# Altium PCB STB_LightBoard.PcbDoc (part 8 of 31) (continued)
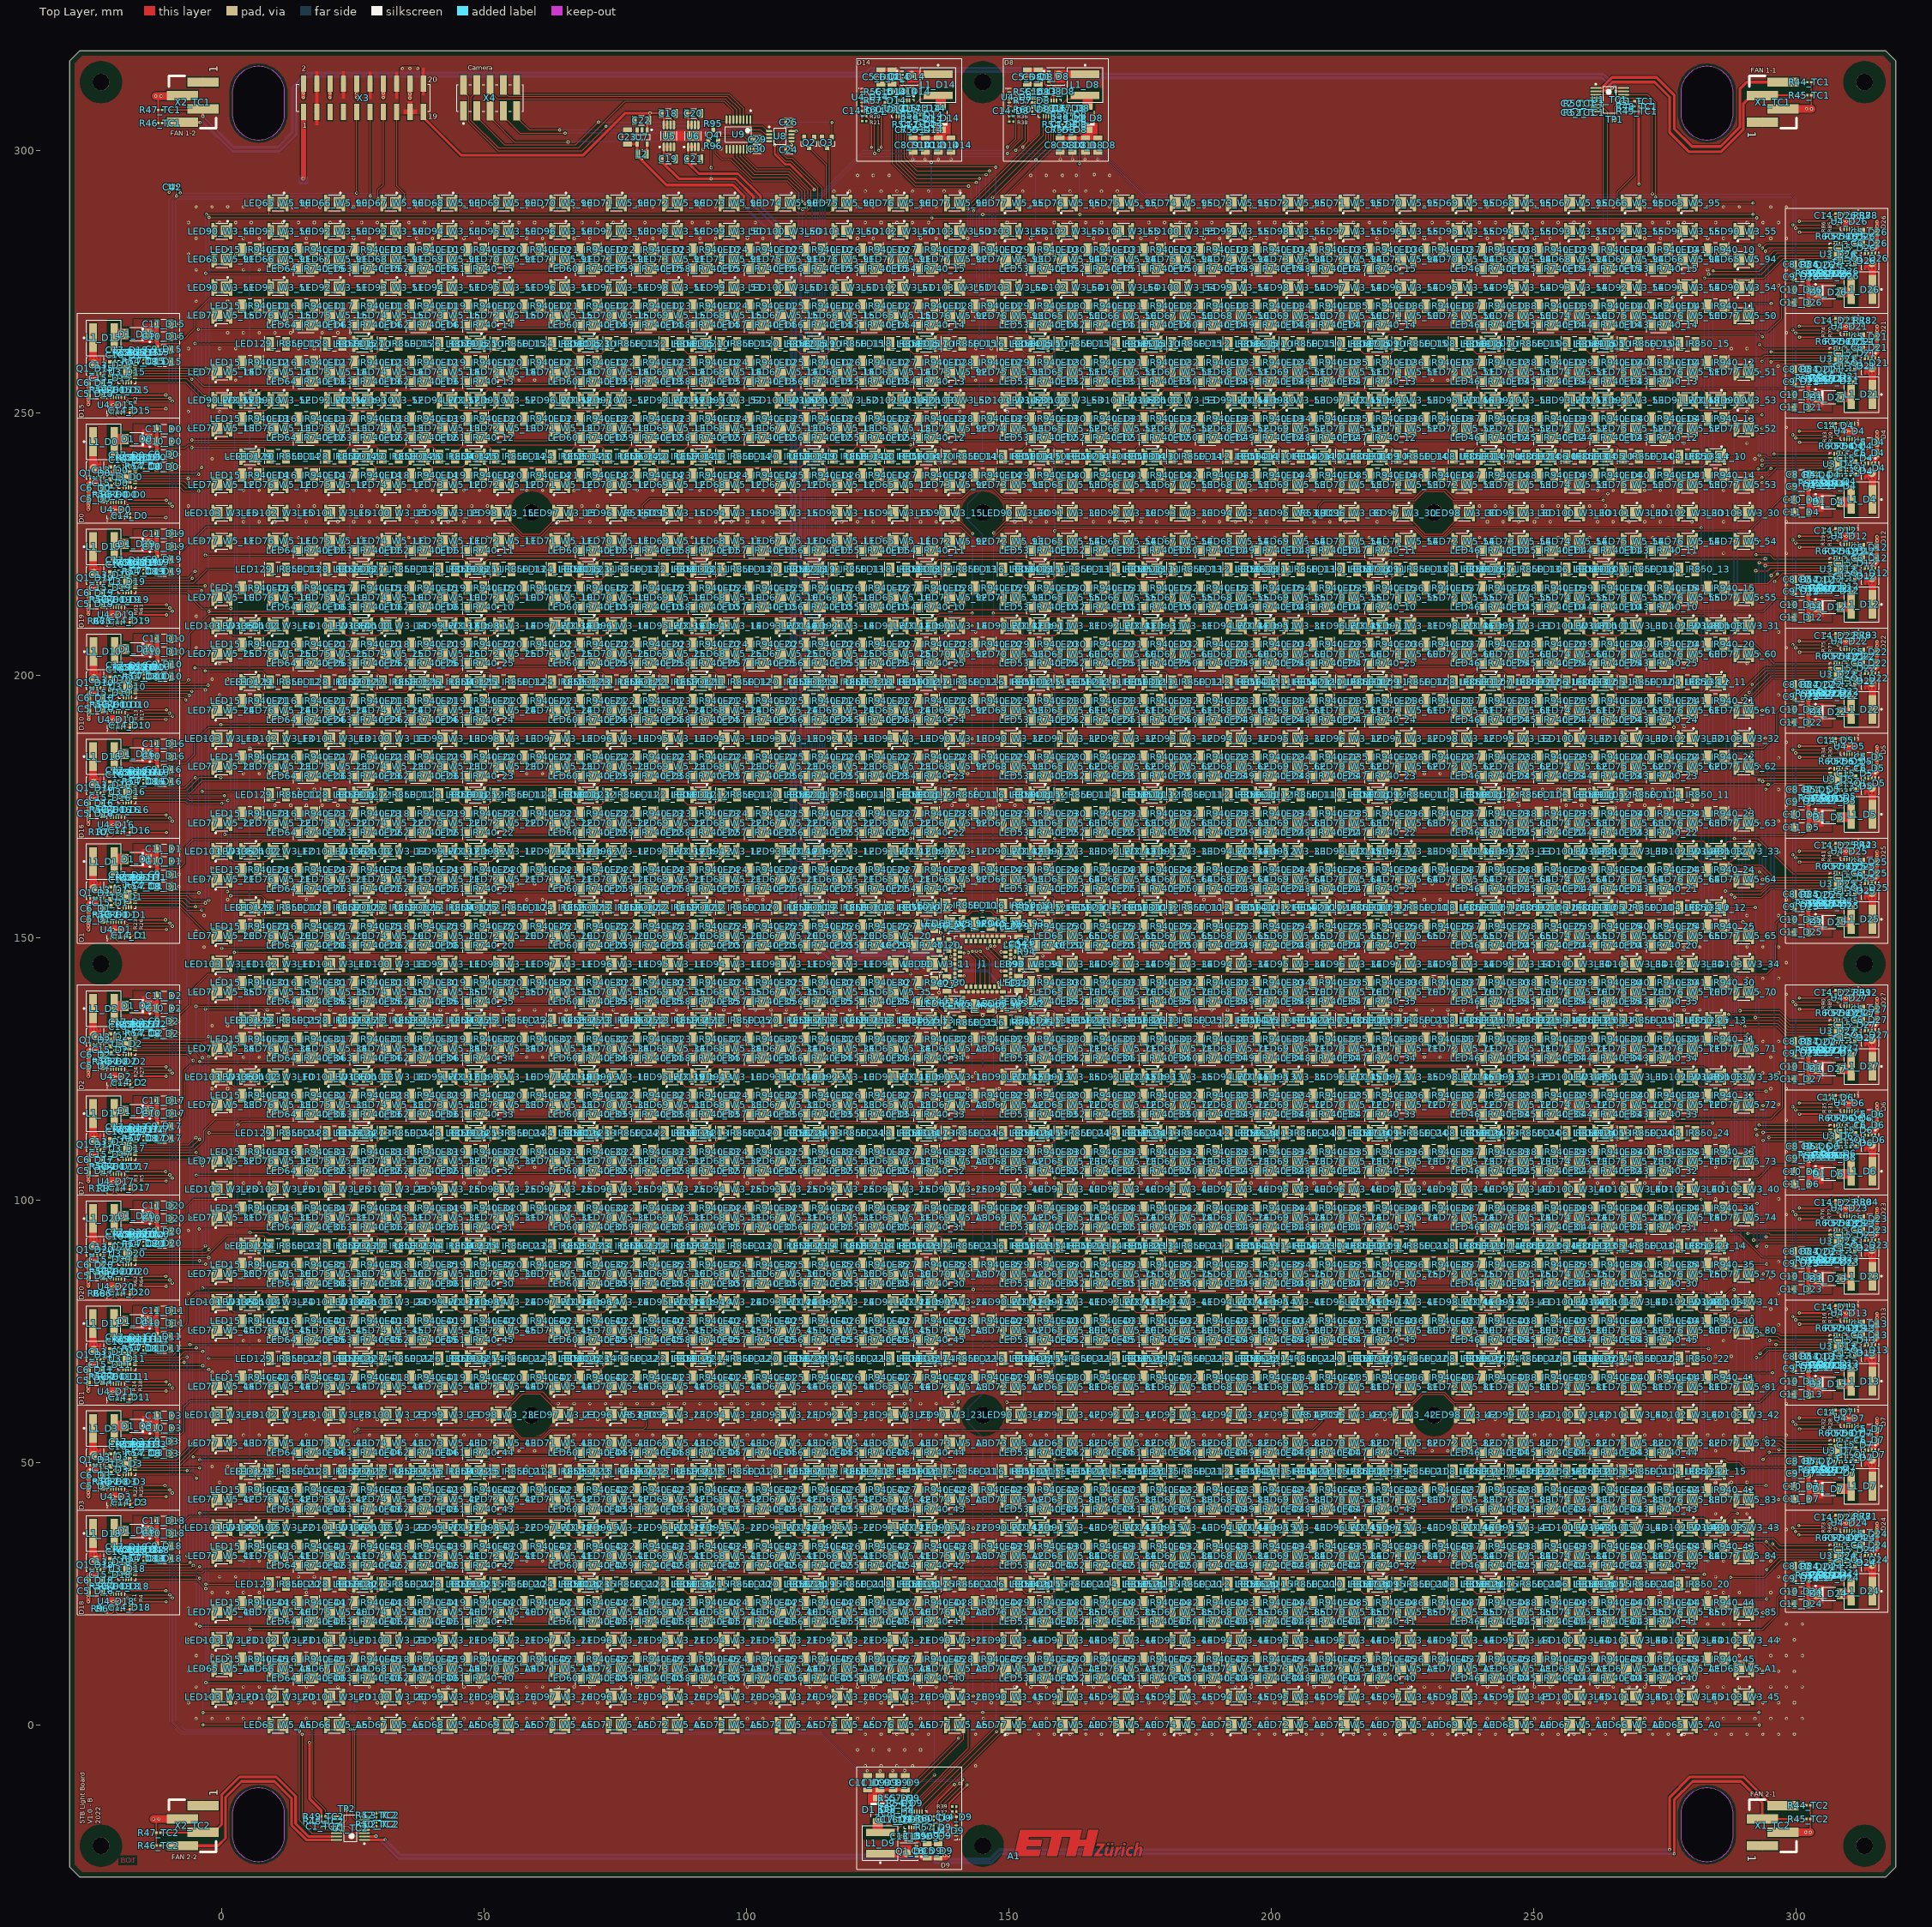
[diagram p0: Top Layer view]
## Components (designator, comment, footprint, x,y, rotation, side; value= is the part's Value field where it differs from the comment) (continued)
LED73_W5_31 "NF2W757GT-F1" NF2W757GT-F1 42.964,96.685 r0 top (schematic designator LED73)
LED73_W5_32 "NF2W757GT-F1" NF2W757GT-F1 42.964,107.425 r0 top (schematic designator LED73)
LED73_W5_33 "NF2W757GT-F1" NF2W757GT-F1 42.964,118.165 r0 top (schematic designator LED73)
LED73_W5_34 "NF2W757GT-F1" NF2W757GT-F1 42.964,128.905 r0 top (schematic designator LED73)
LED73_W5_35 "NF2W757GT-F1" NF2W757GT-F1 42.964,139.645 r0 top (schematic designator LED73)
LED73_W5_40 "NF2W757GT-F1" NF2W757GT-F1 42.964,21.505 r0 top (schematic designator LED73)
LED73_W5_41 "NF2W757GT-F1" NF2W757GT-F1 42.964,32.245 r0 top (schematic designator LED73)
LED73_W5_42 "NF2W757GT-F1" NF2W757GT-F1 42.964,42.985 r0 top (schematic designator LED73)
LED73_W5_43 "NF2W757GT-F1" NF2W757GT-F1 42.964,53.725 r0 top (schematic designator LED73)
LED73_W5_44 "NF2W757GT-F1" NF2W757GT-F1 42.964,64.465 r0 top (schematic designator LED73)
LED73_W5_45 "NF2W757GT-F1" NF2W757GT-F1 42.964,75.205 r0 top (schematic designator LED73)
LED73_W5_50 "NF2W757GT-F1" NF2W757GT-F1 247.043,268.5 r180 top (schematic designator LED73)
LED73_W5_51 "NF2W757GT-F1" NF2W757GT-F1 247.043,257.76 r180 top (schematic designator LED73)
LED73_W5_52 "NF2W757GT-F1" NF2W757GT-F1 247.043,247.02 r180 top (schematic designator LED73)
LED73_W5_53 "NF2W757GT-F1" NF2W757GT-F1 247.043,236.28 r180 top (schematic designator LED73)
LED73_W5_54 "NF2W757GT-F1" NF2W757GT-F1 247.043,225.54 r180 top (schematic designator LED73)
LED73_W5_55 "NF2W757GT-F1" NF2W757GT-F1 247.043,214.8 r180 top (schematic designator LED73)
LED73_W5_60 "NF2W757GT-F1" NF2W757GT-F1 247.043,204.06 r180 top (schematic designator LED73)
LED73_W5_61 "NF2W757GT-F1" NF2W757GT-F1 247.043,193.32 r180 top (schematic designator LED73)
LED73_W5_62 "NF2W757GT-F1" NF2W757GT-F1 247.043,182.58 r180 top (schematic designator LED73)
LED73_W5_63 "NF2W757GT-F1" NF2W757GT-F1 247.043,171.84 r180 top (schematic designator LED73)
LED73_W5_64 "NF2W757GT-F1" NF2W757GT-F1 247.043,161.1 r180 top (schematic designator LED73)
LED73_W5_65 "NF2W757GT-F1" NF2W757GT-F1 247.043,150.36 r180 top (schematic designator LED73)
LED73_W5_70 "NF2W757GT-F1" NF2W757GT-F1 247.043,139.62 r180 top (schematic designator LED73)
LED73_W5_71 "NF2W757GT-F1" NF2W757GT-F1 247.043,128.88 r180 top (schematic designator LED73)
LED73_W5_72 "NF2W757GT-F1" NF2W757GT-F1 247.043,118.14 r180 top (schematic designator LED73)
LED73_W5_73 "NF2W757GT-F1" NF2W757GT-F1 247.043,107.4 r180 top (schematic designator LED73)
LED73_W5_74 "NF2W757GT-F1" NF2W757GT-F1 247.043,96.66 r180 top (schematic designator LED73)
LED73_W5_75 "NF2W757GT-F1" NF2W757GT-F1 247.043,85.92 r180 top (schematic designator LED73)
LED73_W5_80 "NF2W757GT-F1" NF2W757GT-F1 247.043,75.18 r180 top (schematic designator LED73)
LED73_W5_81 "NF2W757GT-F1" NF2W757GT-F1 247.043,64.44 r180 top (schematic designator LED73)
LED73_W5_82 "NF2W757GT-F1" NF2W757GT-F1 247.043,53.7 r180 top (schematic designator LED73)
LED73_W5_83 "NF2W757GT-F1" NF2W757GT-F1 247.043,42.96 r180 top (schematic designator LED73)
LED73_W5_84 "NF2W757GT-F1" NF2W757GT-F1 247.043,32.22 r180 top (schematic designator LED73)
LED73_W5_85 "NF2W757GT-F1" NF2W757GT-F1 247.043,21.48 r180 top (schematic designator LED73)
LED73_W5_90 "NF2W757GT-F1" NF2W757GT-F1 96.669,289.98 r180 top (schematic designator LED73)
LED73_W5_91 "NF2W757GT-F1" NF2W757GT-F1 85.928,279.24 r180 top (schematic designator LED73)
LED73_W5_92 "NF2W757GT-F1" NF2W757GT-F1 139.633,236.28 r0 top (schematic designator LED73)
LED73_W5_93 "NF2W757GT-F1" NF2W757GT-F1 150.374,236.28 r180 top (schematic designator LED73)
LED73_W5_94 "NF2W757GT-F1" NF2W757GT-F1 204.079,279.24 r0 top (schematic designator LED73)
LED73_W5_95 "NF2W757GT-F1" NF2W757GT-F1 193.338,289.98 r0 top (schematic designator LED73)
LED73_W5_A0 "NF2W757GT-F1" NF2W757GT-F1 193.338,0 r0 top (schematic designator LED73)
LED73_W5_A1 "NF2W757GT-F1" NF2W757GT-F1 204.079,10.74 r0 top (schematic designator LED73)
LED73_W5_A2 "NF2W757GT-F1" NF2W757GT-F1 150.374,53.7 r180 top (schematic designator LED73)
LED73_W5_A3 "NF2W757GT-F1" NF2W757GT-F1 139.633,53.7 r0 top (schematic designator LED73)
LED73_W5_A4 "NF2W757GT-F1" NF2W757GT-F1 85.928,10.74 r180 top (schematic designator LED73)
LED73_W5_A5 "NF2W757GT-F1" NF2W757GT-F1 96.669,0 r180 top (schematic designator LED73)
LED74_W5_10 "NF2W757GT-F1" NF2W757GT-F1 32.223,214.825 r0 top (schematic designator LED74)
LED74_W5_11 "NF2W757GT-F1" NF2W757GT-F1 32.223,225.565 r0 top (schematic designator LED74)
LED74_W5_12 "NF2W757GT-F1" NF2W757GT-F1 32.223,236.305 r0 top (schematic designator LED74)
LED74_W5_13 "NF2W757GT-F1" NF2W757GT-F1 32.223,247.045 r0 top (schematic designator LED74)
LED74_W5_14 "NF2W757GT-F1" NF2W757GT-F1 32.223,257.785 r0 top (schematic designator LED74)
LED74_W5_15 "NF2W757GT-F1" NF2W757GT-F1 32.223,268.525 r0 top (schematic designator LED74)
LED74_W5_20 "NF2W757GT-F1" NF2W757GT-F1 32.223,150.385 r0 top (schematic designator LED74)
LED74_W5_21 "NF2W757GT-F1" NF2W757GT-F1 32.223,161.125 r0 top (schematic designator LED74)
LED74_W5_22 "NF2W757GT-F1" NF2W757GT-F1 32.223,171.865 r0 top (schematic designator LED74)
LED74_W5_23 "NF2W757GT-F1" NF2W757GT-F1 32.223,182.605 r0 top (schematic designator LED74)
LED74_W5_24 "NF2W757GT-F1" NF2W757GT-F1 32.223,193.345 r0 top (schematic designator LED74)
LED74_W5_25 "NF2W757GT-F1" NF2W757GT-F1 32.223,204.085 r0 top (schematic designator LED74)
LED74_W5_30 "NF2W757GT-F1" NF2W757GT-F1 32.223,85.945 r0 top (schematic designator LED74)
LED74_W5_31 "NF2W757GT-F1" NF2W757GT-F1 32.223,96.685 r0 top (schematic designator LED74)
LED74_W5_32 "NF2W757GT-F1" NF2W757GT-F1 32.223,107.425 r0 top (schematic designator LED74)
LED74_W5_33 "NF2W757GT-F1" NF2W757GT-F1 32.223,118.165 r0 top (schematic designator LED74)
LED74_W5_34 "NF2W757GT-F1" NF2W757GT-F1 32.223,128.905 r0 top (schematic designator LED74)
LED74_W5_35 "NF2W757GT-F1" NF2W757GT-F1 32.223,139.645 r0 top (schematic designator LED74)
LED74_W5_40 "NF2W757GT-F1" NF2W757GT-F1 32.223,21.505 r0 top (schematic designator LED74)
LED74_W5_41 "NF2W757GT-F1" NF2W757GT-F1 32.223,32.245 r0 top (schematic designator LED74)
LED74_W5_42 "NF2W757GT-F1" NF2W757GT-F1 32.223,42.985 r0 top (schematic designator LED74)
LED74_W5_43 "NF2W757GT-F1" NF2W757GT-F1 32.223,53.725 r0 top (schematic designator LED74)
LED74_W5_44 "NF2W757GT-F1" NF2W757GT-F1 32.223,64.465 r0 top (schematic designator LED74)
LED74_W5_45 "NF2W757GT-F1" NF2W757GT-F1 32.223,75.205 r0 top (schematic designator LED74)
LED74_W5_50 "NF2W757GT-F1" NF2W757GT-F1 257.784,268.5 r180 top (schematic designator LED74)
LED74_W5_51 "NF2W757GT-F1" NF2W757GT-F1 257.784,257.76 r180 top (schematic designator LED74)
LED74_W5_52 "NF2W757GT-F1" NF2W757GT-F1 257.784,247.02 r180 top (schematic designator LED74)
LED74_W5_53 "NF2W757GT-F1" NF2W757GT-F1 257.784,236.28 r180 top (schematic designator LED74)
LED74_W5_54 "NF2W757GT-F1" NF2W757GT-F1 257.784,225.54 r180 top (schematic designator LED74)
LED74_W5_55 "NF2W757GT-F1" NF2W757GT-F1 257.784,214.8 r180 top (schematic designator LED74)
LED74_W5_60 "NF2W757GT-F1" NF2W757GT-F1 257.784,204.06 r180 top (schematic designator LED74)
LED74_W5_61 "NF2W757GT-F1" NF2W757GT-F1 257.784,193.32 r180 top (schematic designator LED74)
LED74_W5_62 "NF2W757GT-F1" NF2W757GT-F1 257.784,182.58 r180 top (schematic designator LED74)
LED74_W5_63 "NF2W757GT-F1" NF2W757GT-F1 257.784,171.84 r180 top (schematic designator LED74)
LED74_W5_64 "NF2W757GT-F1" NF2W757GT-F1 257.784,161.1 r180 top (schematic designator LED74)
LED74_W5_65 "NF2W757GT-F1" NF2W757GT-F1 257.784,150.36 r180 top (schematic designator LED74)
LED74_W5_70 "NF2W757GT-F1" NF2W757GT-F1 257.784,139.62 r180 top (schematic designator LED74)
LED74_W5_71 "NF2W757GT-F1" NF2W757GT-F1 257.784,128.88 r180 top (schematic designator LED74)
LED74_W5_72 "NF2W757GT-F1" NF2W757GT-F1 257.784,118.14 r180 top (schematic designator LED74)
LED74_W5_73 "NF2W757GT-F1" NF2W757GT-F1 257.784,107.4 r180 top (schematic designator LED74)
LED74_W5_74 "NF2W757GT-F1" NF2W757GT-F1 257.784,96.66 r180 top (schematic designator LED74)
LED74_W5_75 "NF2W757GT-F1" NF2W757GT-F1 257.784,85.92 r180 top (schematic designator LED74)
LED74_W5_80 "NF2W757GT-F1" NF2W757GT-F1 257.784,75.18 r180 top (schematic designator LED74)
LED74_W5_81 "NF2W757GT-F1" NF2W757GT-F1 257.784,64.44 r180 top (schematic designator LED74)
LED74_W5_82 "NF2W757GT-F1" NF2W757GT-F1 257.784,53.7 r180 top (schematic designator LED74)
LED74_W5_83 "NF2W757GT-F1" NF2W757GT-F1 257.784,42.96 r180 top (schematic designator LED74)
LED74_W5_84 "NF2W757GT-F1" NF2W757GT-F1 257.784,32.22 r180 top (schematic designator LED74)
LED74_W5_85 "NF2W757GT-F1" NF2W757GT-F1 257.784,21.48 r180 top (schematic designator LED74)
LED74_W5_90 "NF2W757GT-F1" NF2W757GT-F1 107.41,289.98 r180 top (schematic designator LED74)
LED74_W5_91 "NF2W757GT-F1" NF2W757GT-F1 96.669,279.24 r180 top (schematic designator LED74)
LED74_W5_92 "NF2W757GT-F1" NF2W757GT-F1 139.633,247.02 r0 top (schematic designator LED74)
LED74_W5_93 "NF2W757GT-F1" NF2W757GT-F1 150.374,247.02 r180 top (schematic designator LED74)
LED74_W5_94 "NF2W757GT-F1" NF2W757GT-F1 193.338,279.24 r0 top (schematic designator LED74)
LED74_W5_95 "NF2W757GT-F1" NF2W757GT-F1 182.597,289.98 r0 top (schematic designator LED74)
LED74_W5_A0 "NF2W757GT-F1" NF2W757GT-F1 182.597,0 r0 top (schematic designator LED74)
LED74_W5_A1 "NF2W757GT-F1" NF2W757GT-F1 193.338,10.74 r0 top (schematic designator LED74)
LED74_W5_A2 "NF2W757GT-F1" NF2W757GT-F1 150.374,42.96 r180 top (schematic designator LED74)
LED74_W5_A3 "NF2W757GT-F1" NF2W757GT-F1 139.633,42.96 r0 top (schematic designator LED74)
LED74_W5_A4 "NF2W757GT-F1" NF2W757GT-F1 96.669,10.74 r180 top (schematic designator LED74)
LED74_W5_A5 "NF2W757GT-F1" NF2W757GT-F1 107.41,0 r180 top (schematic designator LED74)
LED75_W5_10 "NF2W757GT-F1" NF2W757GT-F1 21.482,214.825 r0 top (schematic designator LED75)
LED75_W5_11 "NF2W757GT-F1" NF2W757GT-F1 21.482,225.565 r0 top (schematic designator LED75)
LED75_W5_12 "NF2W757GT-F1" NF2W757GT-F1 21.482,236.305 r0 top (schematic designator LED75)
LED75_W5_13 "NF2W757GT-F1" NF2W757GT-F1 21.482,247.045 r0 top (schematic designator LED75)
LED75_W5_14 "NF2W757GT-F1" NF2W757GT-F1 21.482,257.785 r0 top (schematic designator LED75)
LED75_W5_15 "NF2W757GT-F1" NF2W757GT-F1 21.482,268.525 r0 top (schematic designator LED75)
LED75_W5_20 "NF2W757GT-F1" NF2W757GT-F1 21.482,150.385 r0 top (schematic designator LED75)
LED75_W5_21 "NF2W757GT-F1" NF2W757GT-F1 21.482,161.125 r0 top (schematic designator LED75)
LED75_W5_22 "NF2W757GT-F1" NF2W757GT-F1 21.482,171.865 r0 top (schematic designator LED75)
LED75_W5_23 "NF2W757GT-F1" NF2W757GT-F1 21.482,182.605 r0 top (schematic designator LED75)
LED75_W5_24 "NF2W757GT-F1" NF2W757GT-F1 21.482,193.345 r0 top (schematic designator LED75)
LED75_W5_25 "NF2W757GT-F1" NF2W757GT-F1 21.482,204.085 r0 top (schematic designator LED75)
LED75_W5_30 "NF2W757GT-F1" NF2W757GT-F1 21.482,85.945 r0 top (schematic designator LED75)
LED75_W5_31 "NF2W757GT-F1" NF2W757GT-F1 21.482,96.685 r0 top (schematic designator LED75)
LED75_W5_32 "NF2W757GT-F1" NF2W757GT-F1 21.482,107.425 r0 top (schematic designator LED75)
LED75_W5_33 "NF2W757GT-F1" NF2W757GT-F1 21.482,118.165 r0 top (schematic designator LED75)
LED75_W5_34 "NF2W757GT-F1" NF2W757GT-F1 21.482,128.905 r0 top (schematic designator LED75)
LED75_W5_35 "NF2W757GT-F1" NF2W757GT-F1 21.482,139.645 r0 top (schematic designator LED75)
LED75_W5_40 "NF2W757GT-F1" NF2W757GT-F1 21.482,21.505 r0 top (schematic designator LED75)
LED75_W5_41 "NF2W757GT-F1" NF2W757GT-F1 21.482,32.245 r0 top (schematic designator LED75)
LED75_W5_42 "NF2W757GT-F1" NF2W757GT-F1 21.482,42.985 r0 top (schematic designator LED75)
LED75_W5_43 "NF2W757GT-F1" NF2W757GT-F1 21.482,53.725 r0 top (schematic designator LED75)
LED75_W5_44 "NF2W757GT-F1" NF2W757GT-F1 21.482,64.465 r0 top (schematic designator LED75)
LED75_W5_45 "NF2W757GT-F1" NF2W757GT-F1 21.482,75.205 r0 top (schematic designator LED75)
LED75_W5_50 "NF2W757GT-F1" NF2W757GT-F1 268.525,268.5 r180 top (schematic designator LED75)
LED75_W5_51 "NF2W757GT-F1" NF2W757GT-F1 268.525,257.76 r180 top (schematic designator LED75)
LED75_W5_52 "NF2W757GT-F1" NF2W757GT-F1 268.525,247.02 r180 top (schematic designator LED75)
LED75_W5_53 "NF2W757GT-F1" NF2W757GT-F1 268.525,236.28 r180 top (schematic designator LED75)
LED75_W5_54 "NF2W757GT-F1" NF2W757GT-F1 268.525,225.54 r180 top (schematic designator LED75)
LED75_W5_55 "NF2W757GT-F1" NF2W757GT-F1 268.525,214.8 r180 top (schematic designator LED75)
LED75_W5_60 "NF2W757GT-F1" NF2W757GT-F1 268.525,204.06 r180 top (schematic designator LED75)
LED75_W5_61 "NF2W757GT-F1" NF2W757GT-F1 268.525,193.32 r180 top (schematic designator LED75)
LED75_W5_62 "NF2W757GT-F1" NF2W757GT-F1 268.525,182.58 r180 top (schematic designator LED75)
LED75_W5_63 "NF2W757GT-F1" NF2W757GT-F1 268.525,171.84 r180 top (schematic designator LED75)
LED75_W5_64 "NF2W757GT-F1" NF2W757GT-F1 268.525,161.1 r180 top (schematic designator LED75)
LED75_W5_65 "NF2W757GT-F1" NF2W757GT-F1 268.525,150.36 r180 top (schematic designator LED75)
LED75_W5_70 "NF2W757GT-F1" NF2W757GT-F1 268.525,139.62 r180 top (schematic designator LED75)
LED75_W5_71 "NF2W757GT-F1" NF2W757GT-F1 268.525,128.88 r180 top (schematic designator LED75)
LED75_W5_72 "NF2W757GT-F1" NF2W757GT-F1 268.525,118.14 r180 top (schematic designator LED75)
LED75_W5_73 "NF2W757GT-F1" NF2W757GT-F1 268.525,107.4 r180 top (schematic designator LED75)
LED75_W5_74 "NF2W757GT-F1" NF2W757GT-F1 268.525,96.66 r180 top (schematic designator LED75)
LED75_W5_75 "NF2W757GT-F1" NF2W757GT-F1 268.525,85.92 r180 top (schematic designator LED75)
LED75_W5_80 "NF2W757GT-F1" NF2W757GT-F1 268.525,75.18 r180 top (schematic designator LED75)
LED75_W5_81 "NF2W757GT-F1" NF2W757GT-F1 268.525,64.44 r180 top (schematic designator LED75)
LED75_W5_82 "NF2W757GT-F1" NF2W757GT-F1 268.525,53.7 r180 top (schematic designator LED75)
LED75_W5_83 "NF2W757GT-F1" NF2W757GT-F1 268.525,42.96 r180 top (schematic designator LED75)
LED75_W5_84 "NF2W757GT-F1" NF2W757GT-F1 268.525,32.22 r180 top (schematic designator LED75)
LED75_W5_85 "NF2W757GT-F1" NF2W757GT-F1 268.525,21.48 r180 top (schematic designator LED75)
LED75_W5_90 "NF2W757GT-F1" NF2W757GT-F1 118.151,289.98 r180 top (schematic designator LED75)
LED75_W5_91 "NF2W757GT-F1" NF2W757GT-F1 107.41,279.24 r180 top (schematic designator LED75)
LED75_W5_92 "NF2W757GT-F1" NF2W757GT-F1 139.633,257.76 r0 top (schematic designator LED75)
LED75_W5_93 "NF2W757GT-F1" NF2W757GT-F1 150.374,257.76 r180 top (schematic designator LED75)
LED75_W5_94 "NF2W757GT-F1" NF2W757GT-F1 182.597,279.24 r0 top (schematic designator LED75)
LED75_W5_95 "NF2W757GT-F1" NF2W757GT-F1 171.856,289.98 r0 top (schematic designator LED75)
LED75_W5_A0 "NF2W757GT-F1" NF2W757GT-F1 171.856,0 r0 top (schematic designator LED75)
LED75_W5_A1 "NF2W757GT-F1" NF2W757GT-F1 182.597,10.74 r0 top (schematic designator LED75)
LED75_W5_A2 "NF2W757GT-F1" NF2W757GT-F1 150.374,32.22 r180 top (schematic designator LED75)
LED75_W5_A3 "NF2W757GT-F1" NF2W757GT-F1 139.633,32.22 r0 top (schematic designator LED75)
LED75_W5_A4 "NF2W757GT-F1" NF2W757GT-F1 107.41,10.74 r180 top (schematic designator LED75)
LED75_W5_A5 "NF2W757GT-F1" NF2W757GT-F1 118.151,0 r180 top (schematic designator LED75)
LED76_W5_10 "NF2W757GT-F1" NF2W757GT-F1 10.741,214.825 r0 top (schematic designator LED76)
LED76_W5_11 "NF2W757GT-F1" NF2W757GT-F1 10.741,225.565 r0 top (schematic designator LED76)
LED76_W5_12 "NF2W757GT-F1" NF2W757GT-F1 10.741,236.305 r0 top (schematic designator LED76)
LED76_W5_13 "NF2W757GT-F1" NF2W757GT-F1 10.741,247.045 r0 top (schematic designator LED76)
LED76_W5_14 "NF2W757GT-F1" NF2W757GT-F1 10.741,257.785 r0 top (schematic designator LED76)
LED76_W5_15 "NF2W757GT-F1" NF2W757GT-F1 10.741,268.525 r0 top (schematic designator LED76)
LED76_W5_20 "NF2W757GT-F1" NF2W757GT-F1 10.741,150.385 r0 top (schematic designator LED76)
LED76_W5_21 "NF2W757GT-F1" NF2W757GT-F1 10.741,161.125 r0 top (schematic designator LED76)
LED76_W5_22 "NF2W757GT-F1" NF2W757GT-F1 10.741,171.865 r0 top (schematic designator LED76)
LED76_W5_23 "NF2W757GT-F1" NF2W757GT-F1 10.741,182.605 r0 top (schematic designator LED76)
LED76_W5_24 "NF2W757GT-F1" NF2W757GT-F1 10.741,193.345 r0 top (schematic designator LED76)
LED76_W5_25 "NF2W757GT-F1" NF2W757GT-F1 10.741,204.085 r0 top (schematic designator LED76)
LED76_W5_30 "NF2W757GT-F1" NF2W757GT-F1 10.741,85.945 r0 top (schematic designator LED76)
LED76_W5_31 "NF2W757GT-F1" NF2W757GT-F1 10.741,96.685 r0 top (schematic designator LED76)
LED76_W5_32 "NF2W757GT-F1" NF2W757GT-F1 10.741,107.425 r0 top (schematic designator LED76)
LED76_W5_33 "NF2W757GT-F1" NF2W757GT-F1 10.741,118.165 r0 top (schematic designator LED76)
LED76_W5_34 "NF2W757GT-F1" NF2W757GT-F1 10.741,128.905 r0 top (schematic designator LED76)
LED76_W5_35 "NF2W757GT-F1" NF2W757GT-F1 10.741,139.645 r0 top (schematic designator LED76)
LED76_W5_40 "NF2W757GT-F1" NF2W757GT-F1 10.741,21.505 r0 top (schematic designator LED76)
LED76_W5_41 "NF2W757GT-F1" NF2W757GT-F1 10.741,32.245 r0 top (schematic designator LED76)
LED76_W5_42 "NF2W757GT-F1" NF2W757GT-F1 10.741,42.985 r0 top (schematic designator LED76)
LED76_W5_43 "NF2W757GT-F1" NF2W757GT-F1 10.741,53.725 r0 top (schematic designator LED76)
LED76_W5_44 "NF2W757GT-F1" NF2W757GT-F1 10.741,64.465 r0 top (schematic designator LED76)
LED76_W5_45 "NF2W757GT-F1" NF2W757GT-F1 10.741,75.205 r0 top (schematic designator LED76)
LED76_W5_50 "NF2W757GT-F1" NF2W757GT-F1 279.266,268.5 r180 top (schematic designator LED76)
LED76_W5_51 "NF2W757GT-F1" NF2W757GT-F1 279.266,257.76 r180 top (schematic designator LED76)
LED76_W5_52 "NF2W757GT-F1" NF2W757GT-F1 279.266,247.02 r180 top (schematic designator LED76)
LED76_W5_53 "NF2W757GT-F1" NF2W757GT-F1 279.266,236.28 r180 top (schematic designator LED76)
LED76_W5_54 "NF2W757GT-F1" NF2W757GT-F1 279.266,225.54 r180 top (schematic designator LED76)
LED76_W5_55 "NF2W757GT-F1" NF2W757GT-F1 279.266,214.8 r180 top (schematic designator LED76)
LED76_W5_60 "NF2W757GT-F1" NF2W757GT-F1 279.266,204.06 r180 top (schematic designator LED76)
LED76_W5_61 "NF2W757GT-F1" NF2W757GT-F1 279.266,193.32 r180 top (schematic designator LED76)
LED76_W5_62 "NF2W757GT-F1" NF2W757GT-F1 279.266,182.58 r180 top (schematic designator LED76)
LED76_W5_63 "NF2W757GT-F1" NF2W757GT-F1 279.266,171.84 r180 top (schematic designator LED76)
LED76_W5_64 "NF2W757GT-F1" NF2W757GT-F1 279.266,161.1 r180 top (schematic designator LED76)
LED76_W5_65 "NF2W757GT-F1" NF2W757GT-F1 279.266,150.36 r180 top (schematic designator LED76)
LED76_W5_70 "NF2W757GT-F1" NF2W757GT-F1 279.266,139.62 r180 top (schematic designator LED76)
LED76_W5_71 "NF2W757GT-F1" NF2W757GT-F1 279.266,128.88 r180 top (schematic designator LED76)
LED76_W5_72 "NF2W757GT-F1" NF2W757GT-F1 279.266,118.14 r180 top (schematic designator LED76)
LED76_W5_73 "NF2W757GT-F1" NF2W757GT-F1 279.266,107.4 r180 top (schematic designator LED76)
LED76_W5_74 "NF2W757GT-F1" NF2W757GT-F1 279.266,96.66 r180 top (schematic designator LED76)
LED76_W5_75 "NF2W757GT-F1" NF2W757GT-F1 279.266,85.92 r180 top (schematic designator LED76)
LED76_W5_80 "NF2W757GT-F1" NF2W757GT-F1 279.266,75.18 r180 top (schematic designator LED76)
LED76_W5_81 "NF2W757GT-F1" NF2W757GT-F1 279.266,64.44 r180 top (schematic designator LED76)
LED76_W5_82 "NF2W757GT-F1" NF2W757GT-F1 279.266,53.7 r180 top (schematic designator LED76)
LED76_W5_83 "NF2W757GT-F1" NF2W757GT-F1 279.266,42.96 r180 top (schematic designator LED76)
LED76_W5_84 "NF2W757GT-F1" NF2W757GT-F1 279.266,32.22 r180 top (schematic designator LED76)
LED76_W5_85 "NF2W757GT-F1" NF2W757GT-F1 279.266,21.48 r180 top (schematic designator LED76)
LED76_W5_90 "NF2W757GT-F1" NF2W757GT-F1 128.892,289.98 r180 top (schematic designator LED76)
LED76_W5_91 "NF2W757GT-F1" NF2W757GT-F1 118.151,279.24 r180 top (schematic designator LED76)
LED76_W5_92 "NF2W757GT-F1" NF2W757GT-F1 139.633,268.5 r0 top (schematic designator LED76)
LED76_W5_93 "NF2W757GT-F1" NF2W757GT-F1 150.374,268.5 r180 top (schematic designator LED76)
LED76_W5_94 "NF2W757GT-F1" NF2W757GT-F1 171.856,279.24 r0 top (schematic designator LED76)
LED76_W5_95 "NF2W757GT-F1" NF2W757GT-F1 161.115,289.98 r0 top (schematic designator LED76)
LED76_W5_A0 "NF2W757GT-F1" NF2W757GT-F1 161.115,0 r0 top (schematic designator LED76)
LED76_W5_A1 "NF2W757GT-F1" NF2W757GT-F1 171.856,10.74 r0 top (schematic designator LED76)
LED76_W5_A2 "NF2W757GT-F1" NF2W757GT-F1 150.374,21.48 r180 top (schematic designator LED76)
LED76_W5_A3 "NF2W757GT-F1" NF2W757GT-F1 139.633,21.48 r0 top (schematic designator LED76)
LED76_W5_A4 "NF2W757GT-F1" NF2W757GT-F1 118.151,10.74 r180 top (schematic designator LED76)
LED76_W5_A5 "NF2W757GT-F1" NF2W757GT-F1 128.892,0 r180 top (schematic designator LED76)
LED77_W5_10 "NF2W757GT-F1" NF2W757GT-F1 0,214.825 r0 top (schematic designator LED77)
LED77_W5_11 "NF2W757GT-F1" NF2W757GT-F1 0,225.565 r0 top (schematic designator LED77)
LED77_W5_12 "NF2W757GT-F1" NF2W757GT-F1 0,236.305 r0 top (schematic designator LED77)
LED77_W5_13 "NF2W757GT-F1" NF2W757GT-F1 0,247.045 r0 top (schematic designator LED77)
LED77_W5_14 "NF2W757GT-F1" NF2W757GT-F1 0,257.785 r0 top (schematic designator LED77)
LED77_W5_15 "NF2W757GT-F1" NF2W757GT-F1 0,268.525 r0 top (schematic designator LED77)
LED77_W5_20 "NF2W757GT-F1" NF2W757GT-F1 0,150.385 r0 top (schematic designator LED77)
LED77_W5_21 "NF2W757GT-F1" NF2W757GT-F1 0,161.125 r0 top (schematic designator LED77)
LED77_W5_22 "NF2W757GT-F1" NF2W757GT-F1 0,171.865 r0 top (schematic designator LED77)
LED77_W5_23 "NF2W757GT-F1" NF2W757GT-F1 0,182.605 r0 top (schematic designator LED77)
LED77_W5_24 "NF2W757GT-F1" NF2W757GT-F1 0,193.345 r0 top (schematic designator LED77)
LED77_W5_25 "NF2W757GT-F1" NF2W757GT-F1 0,204.085 r0 top (schematic designator LED77)
LED77_W5_30 "NF2W757GT-F1" NF2W757GT-F1 0,85.945 r0 top (schematic designator LED77)
LED77_W5_31 "NF2W757GT-F1" NF2W757GT-F1 0,96.685 r0 top (schematic designator LED77)
LED77_W5_32 "NF2W757GT-F1" NF2W757GT-F1 0,107.425 r0 top (schematic designator LED77)
LED77_W5_33 "NF2W757GT-F1" NF2W757GT-F1 0,118.165 r0 top (schematic designator LED77)
LED77_W5_34 "NF2W757GT-F1" NF2W757GT-F1 0,128.905 r0 top (schematic designator LED77)
LED77_W5_35 "NF2W757GT-F1" NF2W757GT-F1 0,139.645 r0 top (schematic designator LED77)
LED77_W5_40 "NF2W757GT-F1" NF2W757GT-F1 0,21.505 r0 top (schematic designator LED77)
LED77_W5_41 "NF2W757GT-F1" NF2W757GT-F1 0,32.245 r0 top (schematic designator LED77)
LED77_W5_42 "NF2W757GT-F1" NF2W757GT-F1 0,42.985 r0 top (schematic designator LED77)
LED77_W5_43 "NF2W757GT-F1" NF2W757GT-F1 0,53.725 r0 top (schematic designator LED77)
LED77_W5_44 "NF2W757GT-F1" NF2W757GT-F1 0,64.465 r0 top (schematic designator LED77)
LED77_W5_45 "NF2W757GT-F1" NF2W757GT-F1 0,75.205 r0 top (schematic designator LED77)
LED77_W5_50 "NF2W757GT-F1" NF2W757GT-F1 290.007,268.5 r180 top (schematic designator LED77)
LED77_W5_51 "NF2W757GT-F1" NF2W757GT-F1 290.007,257.76 r180 top (schematic designator LED77)
LED77_W5_52 "NF2W757GT-F1" NF2W757GT-F1 290.007,247.02 r180 top (schematic designator LED77)
LED77_W5_53 "NF2W757GT-F1" NF2W757GT-F1 290.007,236.28 r180 top (schematic designator LED77)
LED77_W5_54 "NF2W757GT-F1" NF2W757GT-F1 290.007,225.54 r180 top (schematic designator LED77)
LED77_W5_55 "NF2W757GT-F1" NF2W757GT-F1 290.007,214.8 r180 top (schematic designator LED77)
LED77_W5_60 "NF2W757GT-F1" NF2W757GT-F1 290.007,204.06 r180 top (schematic designator LED77)
LED77_W5_61 "NF2W757GT-F1" NF2W757GT-F1 290.007,193.32 r180 top (schematic designator LED77)
LED77_W5_62 "NF2W757GT-F1" NF2W757GT-F1 290.007,182.58 r180 top (schematic designator LED77)
LED77_W5_63 "NF2W757GT-F1" NF2W757GT-F1 290.007,171.84 r180 top (schematic designator LED77)
LED77_W5_64 "NF2W757GT-F1" NF2W757GT-F1 290.007,161.1 r180 top (schematic designator LED77)
LED77_W5_65 "NF2W757GT-F1" NF2W757GT-F1 290.007,150.36 r180 top (schematic designator LED77)
LED77_W5_70 "NF2W757GT-F1" NF2W757GT-F1 290.007,139.62 r180 top (schematic designator LED77)
LED77_W5_71 "NF2W757GT-F1" NF2W757GT-F1 290.007,128.88 r180 top (schematic designator LED77)
LED77_W5_72 "NF2W757GT-F1" NF2W757GT-F1 290.007,118.14 r180 top (schematic designator LED77)
LED77_W5_73 "NF2W757GT-F1" NF2W757GT-F1 290.007,107.4 r180 top (schematic designator LED77)
LED77_W5_74 "NF2W757GT-F1" NF2W757GT-F1 290.007,96.66 r180 top (schematic designator LED77)
LED77_W5_75 "NF2W757GT-F1" NF2W757GT-F1 290.007,85.92 r180 top (schematic designator LED77)
LED77_W5_80 "NF2W757GT-F1" NF2W757GT-F1 290.007,75.18 r180 top (schematic designator LED77)
LED77_W5_81 "NF2W757GT-F1" NF2W757GT-F1 290.007,64.44 r180 top (schematic designator LED77)
LED77_W5_82 "NF2W757GT-F1" NF2W757GT-F1 290.007,53.7 r180 top (schematic designator LED77)
LED77_W5_83 "NF2W757GT-F1" NF2W757GT-F1 290.007,42.96 r180 top (schematic designator LED77)
LED77_W5_84 "NF2W757GT-F1" NF2W757GT-F1 290.007,32.22 r180 top (schematic designator LED77)
LED77_W5_85 "NF2W757GT-F1" NF2W757GT-F1 290.007,21.48 r180 top (schematic designator LED77)
LED77_W5_90 "NF2W757GT-F1" NF2W757GT-F1 139.633,289.98 r180 top (schematic designator LED77)
LED77_W5_91 "NF2W757GT-F1" NF2W757GT-F1 128.892,279.24 r180 top (schematic designator LED77)
LED77_W5_92 "NF2W757GT-F1" NF2W757GT-F1 139.633,279.24 r180 top (schematic designator LED77)
LED77_W5_93 "NF2W757GT-F1" NF2W757GT-F1 150.374,279.24 r0 top (schematic designator LED77)
LED77_W5_94 "NF2W757GT-F1" NF2W757GT-F1 161.115,279.24 r0 top (schematic designator LED77)
LED77_W5_95 "NF2W757GT-F1" NF2W757GT-F1 150.374,289.98 r0 top (schematic designator LED77)
LED77_W5_A0 "NF2W757GT-F1" NF2W757GT-F1 150.374,0 r0 top (schematic designator LED77)
LED77_W5_A1 "NF2W757GT-F1" NF2W757GT-F1 161.115,10.74 r0 top (schematic designator LED77)
LED77_W5_A2 "NF2W757GT-F1" NF2W757GT-F1 150.374,10.74 r0 top (schematic designator LED77)
LED77_W5_A3 "NF2W757GT-F1" NF2W757GT-F1 139.633,10.74 r180 top (schematic designator LED77)
LED77_W5_A4 "NF2W757GT-F1" NF2W757GT-F1 128.892,10.74 r180 top (schematic designator LED77)
LED77_W5_A5 "NF2W757GT-F1" NF2W757GT-F1 139.633,0 r180 top (schematic designator LED77)
LED78_g_10 "NE2G757GT" NE2G757GT 26.852,263.13 r180 top (schematic designator LED78)
LED78_g_11 "NE2G757GT" NE2G757GT 26.852,220.17 r180 top (schematic designator LED78)
LED78_g_12 "NE2G757GT" NE2G757GT 26.852,177.21 r180 top (schematic designator LED78)
LED78_g_13 "NE2G757GT" NE2G757GT 26.852,112.77 r180 top (schematic designator LED78)
LED78_g_14 "NE2G757GT" NE2G757GT 26.852,69.81 r180 top (schematic designator LED78)
LED78_g_15 "NE2G757GT" NE2G757GT 26.852,26.85 r180 top (schematic designator LED78)
LED79_g_10 "NE2G757GT" NE2G757GT 48.334,263.13 r180 top (schematic designator LED79)
LED79_g_11 "NE2G757GT" NE2G757GT 48.334,220.17 r180 top (schematic designator LED79)
LED79_g_12 "NE2G757GT" NE2G757GT 48.334,177.21 r180 top (schematic designator LED79)
LED79_g_13 "NE2G757GT" NE2G757GT 48.334,112.77 r180 top (schematic designator LED79)
LED79_g_14 "NE2G757GT" NE2G757GT 48.334,69.81 r180 top (schematic designator LED79)
LED79_g_15 "NE2G757GT" NE2G757GT 48.334,26.85 r180 top (schematic designator LED79)
LED80_g_10 "NE2G757GT" NE2G757GT 69.816,263.13 r180 top (schematic designator LED80)
LED80_g_11 "NE2G757GT" NE2G757GT 69.816,220.17 r180 top (schematic designator LED80)
LED80_g_12 "NE2G757GT" NE2G757GT 69.816,177.21 r180 top (schematic designator LED80)
LED80_g_13 "NE2G757GT" NE2G757GT 69.816,112.77 r180 top (schematic designator LED80)
LED80_g_14 "NE2G757GT" NE2G757GT 69.816,69.81 r180 top (schematic designator LED80)
LED80_g_15 "NE2G757GT" NE2G757GT 69.816,26.85 r180 top (schematic designator LED80)
LED81_g_10 "NE2G757GT" NE2G757GT 91.298,263.13 r180 top (schematic designator LED81)
LED81_g_11 "NE2G757GT" NE2G757GT 91.298,220.17 r180 top (schematic designator LED81)
LED81_g_12 "NE2G757GT" NE2G757GT 91.298,177.21 r180 top (schematic designator LED81)
LED81_g_13 "NE2G757GT" NE2G757GT 91.298,112.77 r180 top (schematic designator LED81)
LED81_g_14 "NE2G757GT" NE2G757GT 91.298,69.81 r180 top (schematic designator LED81)
LED81_g_15 "NE2G757GT" NE2G757GT 91.298,26.85 r180 top (schematic designator LED81)
LED82_g_10 "NE2G757GT" NE2G757GT 112.78,263.13 r180 top (schematic designator LED82)
LED82_g_11 "NE2G757GT" NE2G757GT 112.78,220.17 r180 top (schematic designator LED82)
LED82_g_12 "NE2G757GT" NE2G757GT 112.78,177.21 r180 top (schematic designator LED82)
LED82_g_13 "NE2G757GT" NE2G757GT 112.78,112.77 r180 top (schematic designator LED82)
LED82_g_14 "NE2G757GT" NE2G757GT 112.78,69.81 r180 top (schematic designator LED82)
LED82_g_15 "NE2G757GT" NE2G757GT 112.78,26.85 r180 top (schematic designator LED82)
LED83_g_10 "NE2G757GT" NE2G757GT 134.262,263.13 r180 top (schematic designator LED83)